# Allegro board reComputer Industrial J201_V1.2.brd
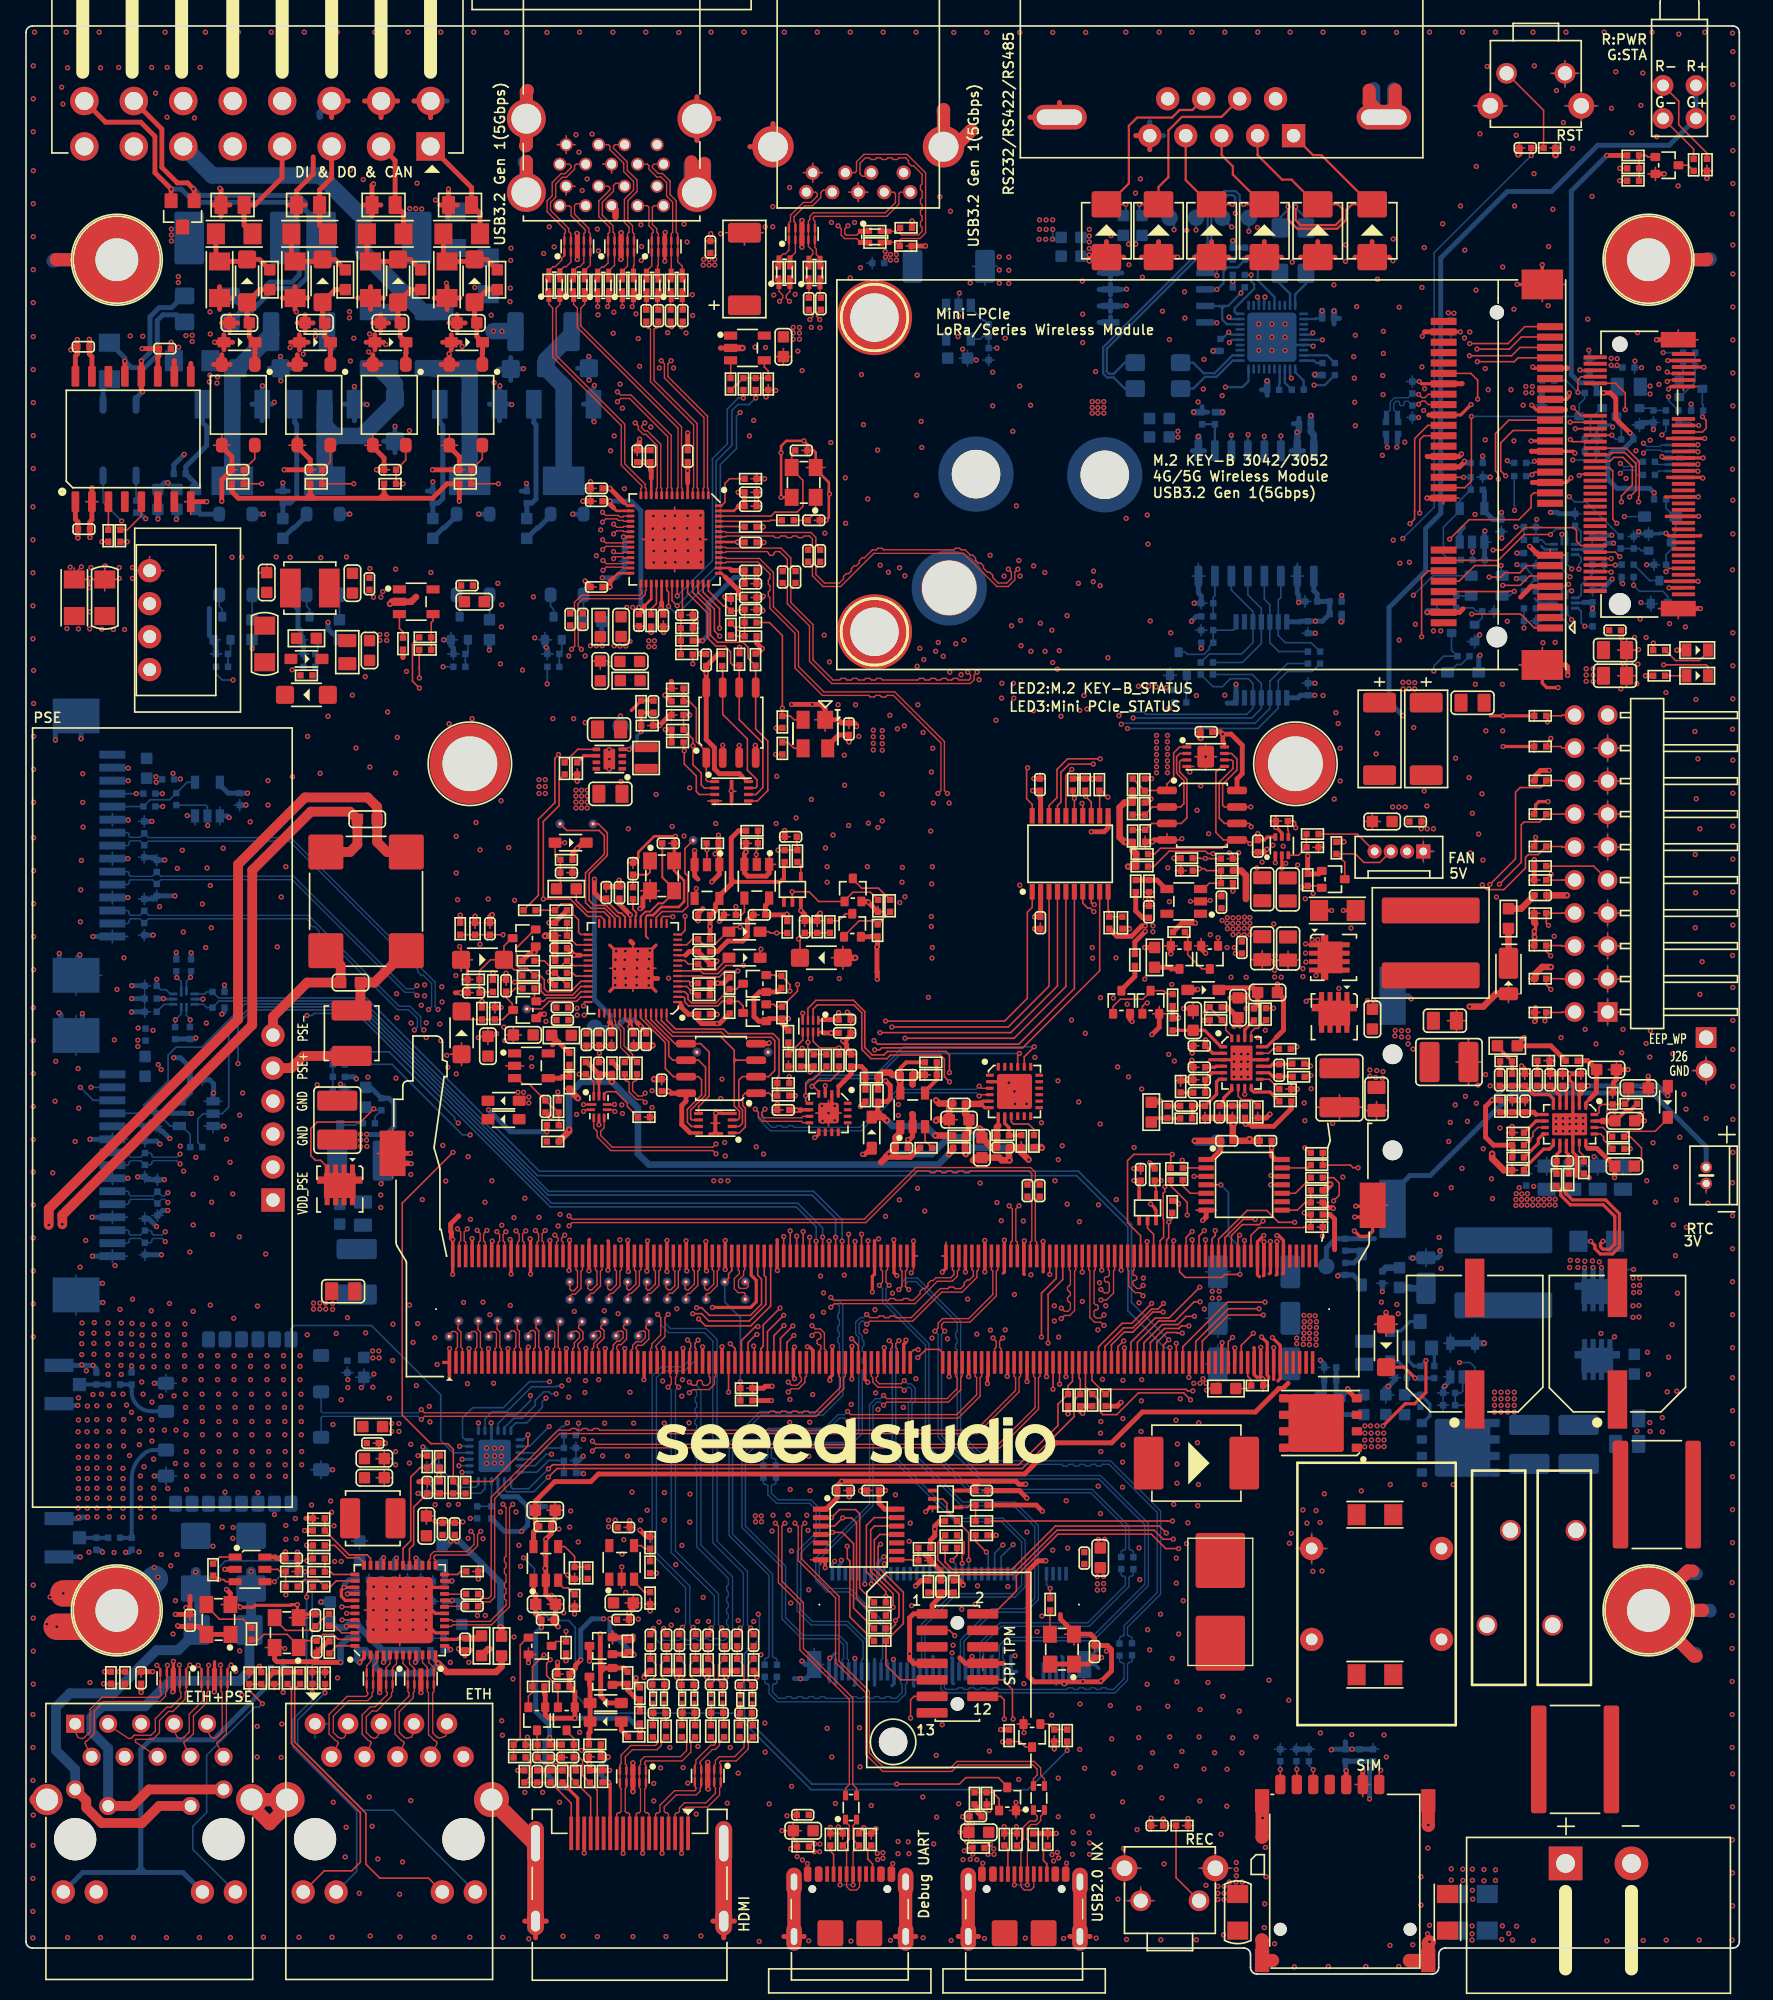
[diagram p0: board, top side]
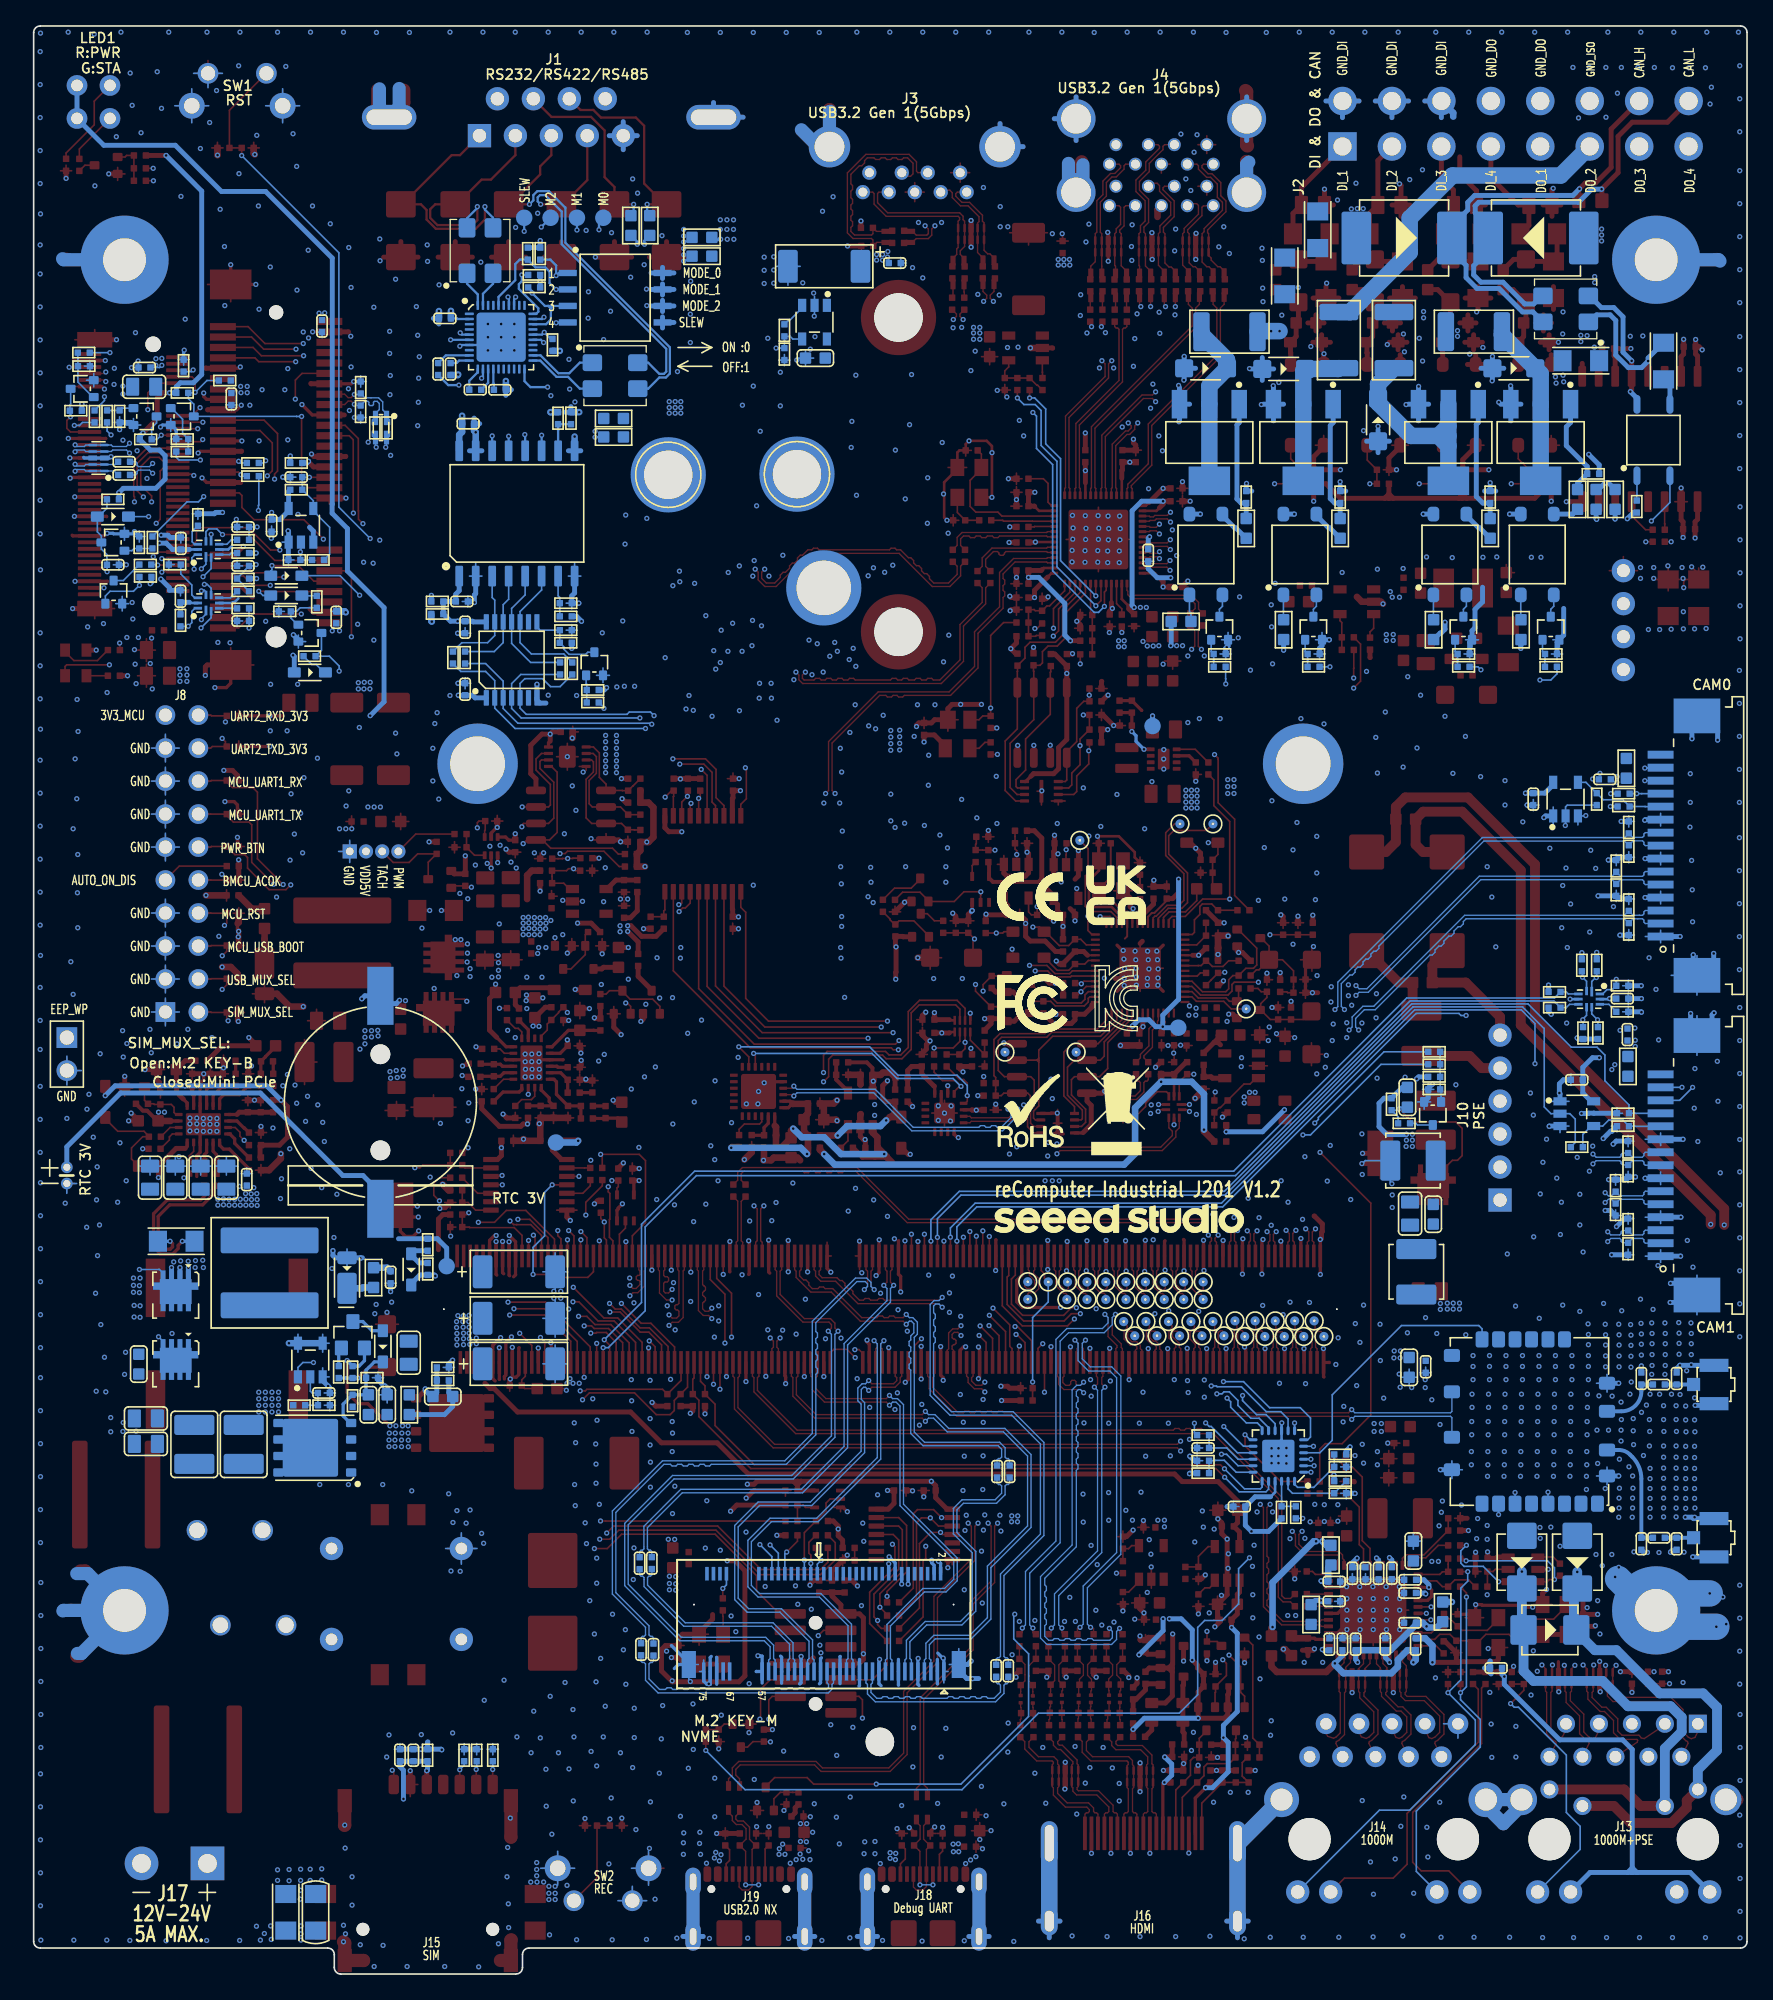
[diagram p1: board, bottom side, seen from below]

Outline 132 x 150 mm; copper layers: TOP, GND02, LAY3, LAY4, PWR05, BOTTOM. Coordinates in mm from the lower left corner of the outline.
Outline path: 0,149.5 0,2.5 arc(0.15,2.15) 0.5,2 93.84,2 arc(94.19,1.85) 94.34,1.5 94.34,0.5 arc(94.49,0.15) 94.84,0 108.34,0 arc(108.69,0.15) 108.84,0.5 108.84,1.5 arc(108.99,1.85) 109.34,2 131.5,2 arc(131.85,2.15) 132,2.5 132,149.5 arc(131.85,149.85) 131.5,150 0.5,150 arc(0.15,149.85) 0,149.5

## Design rules (mm)
constraint set DEFAULT: min track width 0.127
net group ADC0: nets ADC0 MCU_ADC0
net group CAN_H: nets CAN_H N28892304
net group CSI1_CLK_P: nets CSI1_CLK_N CSI1_CLK_P
net group CSI1_D0_P: nets CSI1_D0_N CSI1_D0_P
net group CSI3_CLK_P: nets CSI3_CLK_N CSI3_CLK_P
net group CSI3_D0_P: nets CSI3_D0_N CSI3_D0_P
net group CSI3_D1_P: nets CSI3_D1_N CSI3_D1_P
net group GBE_MDI1_P: nets GBE_MDI1_N GBE_MDI1_P
net group GBE_MDI2_P: nets GBE_MDI2_N GBE_MDI2_P
net group GBE_MDI3_P: nets GBE_MDI3_N GBE_MDI3_P
net group HDMI_TXC_CON_LC_P: nets HDMI_TXC_CON_LC_N HDMI_TXC_CON_LC_P
net group HDMI_TXC_CON_P: nets HDMI_TXC_CON_N HDMI_TXC_CON_P
net group HDMI_TXC_CON_R_P: nets HDMI_TXC_CON_R_N HDMI_TXC_CON_R_P
net group HDMI_TXC_P: nets HDMI_TXC_N HDMI_TXC_P
net group HDMI_TXD0_CON_LC_P: nets HDMI_TXD0_CON_LC_N HDMI_TXD0_CON_LC_P
net group HDMI_TXD0_CON_P: nets HDMI_TXD0_CON_N HDMI_TXD0_CON_P
net group HDMI_TXD0_CON_R_P: nets HDMI_TXD0_CON_R_N HDMI_TXD0_CON_R_P
net group HDMI_TXD0_P: nets HDMI_TX0_N HDMI_TX0_P
net group HDMI_TXD1_CON_LC_P: nets HDMI_TXD1_CON_LC_N HDMI_TXD1_CON_LC_P
net group HDMI_TXD1_CON_P: nets HDMI_TXD1_CON_N HDMI_TXD1_CON_P
net group HDMI_TXD1_CON_R_P: nets HDMI_TXD1_CON_R_N HDMI_TXD1_CON_R_P
net group HDMI_TXD1_P: nets HDMI_TX1_N HDMI_TX1_P
net group HDMI_TXD2_CON_LC_P: nets HDMI_TXD2_CON_LC_N HDMI_TXD2_CON_LC_P
net group HDMI_TXD2_CON_P: nets HDMI_TXD2_CON_N HDMI_TXD2_CON_P
net group HDMI_TXD2_CON_R_P: nets HDMI_TXD2_CON_R_N HDMI_TXD2_CON_R_P
net group HDMI_TXD2_P: nets HDMI_TX2_N HDMI_TX2_P
net group HUB_HSD1_P: nets HUB_HSD1_N HUB_HSD1_P
net group HUB_HSD2_P: nets HUB_HSD2_N HUB_HSD2_P
net group HUB_HSD3_P: nets HUB_HSD3_N HUB_HSD3_P
net group HUB_HSD4_P: nets HUB_HSD4_N HUB_HSD4_P
net group HUB_SSRX1_P: nets HUB_SSRX1_N HUB_SSRX1_P
net group HUB_SSRX2_P: nets HUB_SSRX2_N HUB_SSRX2_P
net group HUB_SSRX3_P: nets HUB_SSRX3_N HUB_SSRX3_P
net group HUB_SSRX4_P: nets HUB_SSRX4_N HUB_SSRX4_P
net group HUB_SSTX1_C_P: nets HUB_SSTX1_C_N HUB_SSTX1_C_P
net group HUB_SSTX1_P: nets HUB_SSTX1_N HUB_SSTX1_P
net group HUB_SSTX2_C_P: nets HUB_SSTX2_C_N HUB_SSTX2_C_P
net group HUB_SSTX2_P: nets HUB_SSTX2_N HUB_SSTX2_P
net group HUB_SSTX3_C_P: nets HUB_SSTX3_C_N HUB_SSTX3_C_P
net group HUB_SSTX3_P: nets HUB_SSTX3_N HUB_SSTX3_P
net group HUB_SSTX4_P: nets HUB_SSTX4_N HUB_SSTX4_P
net group HUB_USB4_DP_1: nets USB_DM USB_DP
net group M2B_PCIE_HSD4_P: nets M2B_PCIE_HSD4_N M2B_PCIE_HSD4_P
net group M2B_SSRX4_P: nets M2B_SSRX4_N M2B_SSRX4_P
net group M2B_SSTX4_P: nets M2B_SSTX4_N M2B_SSTX4_P
net group MCU_USB_DP: nets MCU_USB_DN MCU_USB_DP
net group PCIE0_CLK_P: nets PCIE0_CLK_N PCIE0_CLK_P
net group PCIE0_RX0_M2_P: nets PCIE0_RX0_N PCIE0_RX0_P
net group PCIE0_RX1_P: nets PCIE0_RX1_N PCIE0_RX1_P
net group PCIE0_RX2_P: nets PCIE0_RX2_N PCIE0_RX2_P
net group PCIE0_RX3_P: nets PCIE0_RX3_N PCIE0_RX3_P
net group PCIE0_TX0_M2_P: nets PCIE0_TX0_M2_N PCIE0_TX0_M2_P
net group PCIE0_TX0_P: nets PCIE0_TX0_N PCIE0_TX0_P
net group PCIE0_TX1_M2_P: nets PCIE0_TX1_M2_N PCIE0_TX1_M2_P
net group PCIE0_TX1_P: nets PCIE0_TX1_N PCIE0_TX1_P
net group PCIE0_TX2_M2_P: nets PCIE0_TX2_M2_N PCIE0_TX2_M2_P
net group PCIE0_TX2_P: nets PCIE0_TX2_N PCIE0_TX2_P
net group PCIE0_TX3_M2_P: nets PCIE0_TX3_M2_N PCIE0_TX3_M2_P
net group PCIE0_TX3_P: nets PCIE0_TX3_N PCIE0_TX3_P
net group PCIE1_CLK_P: nets PCIE1_CLK_N PCIE1_CLK_P
net group PCIE1_RX0_P: nets PCIE1_RX0_N PCIE1_RX0_P
net group PCIE1_TX0_P: nets PCIE1_TX0_N PCIE1_TX0_P
net group PCIE_RX_P: nets PCIE_RX_N PCIE_RX_P
net group PCIE_TX_P: nets PCIE_TX_N PCIE_TX_P
net group RP2040_XOUT: nets N26055734 RP2040_XOUT
net group TXRXA_P: nets TXRXA_N TXRXA_P
net group TXRXC_P: nets TXRXC_N TXRXC_P
net group TXRXD_P: nets TXRXD_N TXRXD_P
net group TYPE C_USB_DP: nets TYPE C_USB_DN TYPE C_USB_DP
net group TYPE_C_USB_DP: nets N29154261 N29154278
net group UART_USB_DP: nets UART_USB_DN UART_USB_DP
net group USB0_AP_P: nets USB0_AP_N USB0_AP_P
net group USB0_AP_P_1: nets N27061452 N27061465
net group USB1_A_P: nets USB1_A_N USB1_A_P
net group USB1_AP_P: nets USB1_AP_N USB1_AP_P
net group USB2_AP_P: nets USB2_AP_N USB2_AP_P
net group USBSS1_RX_P: nets USBSS1_RX_N USBSS1_RX_P
net group USBSS_RX_A_CON1_P: nets USBSS_RX_A_CON1_N USBSS_RX_A_CON1_P
net group USBSS_RX_A_CON2_P: nets USBSS_RX_A_CON2_N USBSS_RX_A_CON2_P
net group USBSS_RX_B_CON1_P: nets USBSS_RX_B_CON1_N USBSS_RX_B_CON1_P
net group USBSS_RX_HUB_P: nets USBSS_RX_HUB_N USBSS_RX_HUB_P
net group USBSS_RX_P: nets USBSS_RX_N USBSS_RX_P
net group USBSS_TX_A_CON1_P: nets USBSS_TX_A_CON1_N USBSS_TX_A_CON1_P
net group USBSS_TX_A_CON2_P: nets USBSS_TX_A_CON2_N USBSS_TX_A_CON2_P
net group USBSS_TX_B_CON1_P: nets USBSS_TX_B_CON1_N USBSS_TX_B_CON1_P
net group USBSS_TX_HUB_P: nets USBSS_TX_HUB_N USBSS_TX_HUB_P
net group USBSS_TX_P: nets USBSS_TX_N USBSS_TX_P
net group CLS2: nets CSI2_CLK_N CSI2_CLK_P CSI2_D0_N CSI2_D0_P CSI2_D1_N CSI2_D1_P
net group CSI0: nets CSI0_CLK_N CSI0_CLK_P CSI0_D0_N CSI0_D0_P CSI0_D1_N CSI0_D1_P
net group HDMI_CEC_Q: nets HDMI_CEC_Q
nets with their own width: min track width 0.152; nets VDD_5V_SYS

## Placement (name value [footprint] x y rotation side)
C1  10nF  [C0402]  115.51 140.61 180 top
C2  100nF  [C0402]  52.73 132.98 90 top
C3  330uF  [AVX_C]  55.35 131.28 90 top
C4  100nF  [C0402]  60.3 128.62 90 top
C5  100nF  [C0402]  61.24 128.62 90 top
C6  100nF  [C0402]  47.78 127.69 90 top
C7  100nF  [C0402]  48.72 127.69 90 top
C8  100nF  [C0402]  49.66 127.69 90 top
C9  100nF  [C0402]  50.6 127.69 90 top
C10  100nF  [C0603]  16.45 127.14 180 top
C11  100nF  [C0603]  22.26 127.14 180 top
C12  100nF  [C0603]  28.08 127.14 180 top
C13  100nF  [C0603]  33.97 127.14 180 top
C14  100nF  [C0402]  4.42 125.3 0 top
C15  4.7uF  [C0603]  58.35 125.3 270 top
C17  18pF  [C0402]  59.73 117.32 0 top
C18  100nF  [C0402]  47.09 116.87 90 top
C19  1nF  [C0402]  48.12 116.87 90 top
C20  100nF  [C0402]  50.98 116.87 90 top
C21  10pF  [C0402]  16.32 115.83 180 top
C22  10pF  [C0402]  22.36 115.83 180 top
C23  10pF  [C0402]  28.05 115.83 180 top
C24  10pF  [C0402]  33.85 115.83 180 top
C25  100nF  [C0402]  43.96 114.39 180 top
C26  100nF  [C0402]  55.82 114.09 0 top
C27  1nF  [C0402]  43.96 113.4 180 top
C28  100nF  [C0402]  55.82 113.03 0 top
C29  18pF  [C0402]  60.7 111.94 0 top
C30  100nF  [C0402]  4.47 111.25 0 top
C31  100nF  [C0402]  55.82 110.23 0 top
C32  100nF  [C0402]  60.25 109.2 90 top
C33  100nF  [C0402]  61.19 109.2 90 top
C34  100nF  [C0402]  55.82 108.07 0 top
C35  100nF  [C0402]  58.3 107.57 90 top
C36  100nF  [C0402]  59.29 107.57 90 top
C37  1nF  [C0402]  55.82 107.05 0 top
C38  100nF  [C0402]  43.96 106.8 180 top
C39  100nF  [C0402]  55.82 105.99 0 top
C40  1uF  [C0402]  55.82 105.06 0 top
C41  10nF  [C0402]  50.91 104.64 0 top
C42  4.7uF  [C0603]  18.55 107.15 90 top
C43  100nF  [C0402]  42.89 104.31 90 top
C44  100nF  [C0402]  41.93 104.31 90 top
C45  4.7uF  [C0603]  25.15 107.09 90 top
C46  100nF  [C0402]  26.46 107.05 90 top
C47  100nF  [C0402]  47.22 104.25 270 top
C48  1nF  [C0402]  49.1 104.22 270 top
C49  100nF  [C0402]  33.98 106.91 0 top
C50  4.7uF  [C0603]  45.85 103.75 270 top
C51  100nF  [C0402]  122.42 103.47 0 top
C52  1nF  [C1206]  6.07 105.97 270 top
C53  10uF  [C0603]  34.54 105.67 0 top
C54  22uF  [C0805]  122.42 101.94 0 top
C55  100nF  [C0402]  52.4 101.18 90 top
C56  4.7uF  [C0603]  46.52 101.06 180 top
C57  10uF  [C0603]  44.25 100.34 90 top
C58  22uF  [C0805]  122.42 99.97 0 top
C59  1nF  [C1206]  18.39 102.42 270 top
C60  4.7uF  [C0603]  26.47 101.91 270 top
C61  22uF  [C0805]  111.45 97.88 0 top
C62  22pF  [C0402]  48.34 97.59 270 top
C63  100nF  [C0402]  63.4 95.87 90 top
C64  22uF  [C0805]  44.92 95.83 180 top
C65  330uF  [AVX_C]  104.28 95.1 270 top
C66  330uF  [AVX_C]  107.88 95.1 270 top
C67  100nF  [C0402]  90.93 95.65 180 top
C68  100nF  [C0402]  78.12 91.58 90 top
C69  22uF  [C0805]  45.03 90.87 0 top
C70  10uF  [C0603]  104.49 88.74 180 top
C71  100nF  [C0402]  107.04 88.74 0 top
C72  100nF  [C0402]  58.92 87.57 180 top
C73  12pF  [C0402]  49.49 87.06 0 top
C74  100nF  [C0402]  94.9 86.85 90 top
C75  12pF  [C0402]  46.77 85.11 90 top
C76  1uF  [C0402]  41.64 84.8 0 top
C77  22uF  [C0805]  95.25 83.53 90 top
C78  22uF  [C0805]  97.21 83.51 90 top
C79  100nF  [C0402]  44.71 83.27 90 top
C80  100nF  [C0402]  45.73 83.27 90 top
C81  220pF  [C0402]  116.68 83.06 0 top
C82  1uF  [C0402]  92.1 82.53 90 top
C83  1uF  [C0402]  86.51 81.79 90 top
C84  100nF  [C0402]  52.24 81.56 180 top
C85  100nF  [C0402]  56.5 81.56 180 top
C86  100nF  [C0402]  78.15 80.95 90 top
C87  10nF  [C0402]  60 80.64 90 top
C88  100pF  [C0402]  35.74 80.49 90 top
C89  100nF  [C0402]  93.67 79.05 270 top
C90  100nF  [C0402]  41.22 78.99 180 top
C91  22uF  [C0805]  95.25 78.99 270 top
C92  22uF  [C0805]  97.23 78.96 270 top
C93  100nF  [C0402]  52.24 78.73 0 top
C94  100pF  [C0402]  36.99 76.1 90 top
C95  100nF  [C0603]  95.65 75.58 0 top
C96  100pF  [C0402]  34.48 75.56 180 top
C97  470nF  [C0603]  93.38 74.4 90 top
C98  100nF  [C0402]  41.32 74.42 180 top
C99  4.7uF  [C0805]  109.32 73.41 0 top
C100  100nF  [C0402]  52.24 73.91 0 top
C101  100nF  [C0603]  103.73 73.53 90 top
C102  100nF  [C0402]  63.07 73.49 0 top
C103  4.7uF  [C0603]  89.92 73.43 90 top
C104  1uF  [C0402]  41.33 73.45 180 top
C105  100nF  [C0402]  63.07 72.47 0 top
C106  10uF  [C0603]  38.31 72.31 180 top
C107  1uF  [C0402]  45.11 71.98 270 top
C108  1uF  [C0402]  44.15 71.98 270 top
C109  100nF  [C0402]  47.78 71.96 270 top
C110  100nF  [C0402]  43.18 71.96 270 top
C111  100nF  [C0402]  46.81 71.96 270 top
C112  1uF  [C0402]  90.4 71.47 180 top
C113  10uF  [C0603]  35.59 71.44 90 top
C114  22uF  [C1210]  109.63 70.22 0 top
C115  100nF  [C0402]  63.58 70.35 90 top
C116  10nF  [C0402]  90.4 69.82 180 top
C117  100nF  [C0402]  44.14 69.75 90 top
C118  33pF  [C0402]  96.55 69.59 270 top
C119  10nF  [C0402]  90.4 68.86 180 top
C120  4.7uF  [C0603]  121.77 69.64 0 top
C121  100nF  [C0402]  48.98 68.44 90 top
C122  22uF  [C1210]  101.2 68.24 270 top
C123  680pF  [C0402]  90.4 67.87 180 top
C124  150pF  [C0402]  113.54 68.86 270 top
C125  680pF  [C0402]  116.44 68.86 90 top
C126  10nF  [C0402]  117.43 68.86 90 top
C127  10nF  [C0402]  118.39 68.86 90 top
C128  1uF  [C0402]  119.79 68.86 90 top
C129  4.7uF  [C0805]  104.05 67.38 270 top
C130  1uF  [C0603]  124.22 68.22 0 top
C131  150pF  [C0402]  89.38 66.84 0 top
C132  1uF  [C0402]  40.02 66.8 270 top
C133  100nF  [C0402]  58.35 66.53 180 top
C134  10nF  [C0402]  91.95 66.39 270 top
C135  10nF  [C0402]  115.5 66.82 90 top
C136  470nF  [C0603]  123.18 65.7 0 top
C137  4.7uF  [C0603]  73.65 63.63 270 top
C138  4.7uF  [C0805]  25.96 58.55 90 bottom
C139  4.7uF  [C0805]  24.44 52.57 0 top
C140  100nF  [C0402]  85.88 61.56 270 top
C141  33pF  [C0402]  118.38 62.59 180 top
C142  100nF  [C0603]  123.15 62.21 180 top
C143  100nF  [C0402]  77.16 60.32 90 top
C144  100nF  [C0402]  78.1 60.32 90 top
C145  100nF  [C0603]  24.18 58.5 90 bottom
C146  100nF  [C0402]  70.49 29.84 270 top
C147  220uF  [CAE-10_5X10_5X10_5MM-S]  111.61 48.54 90 top
C148  220uF  [CAE-10_5X10_5X10_5MM-S]  122.61 48.54 90 top
C149  100nF  [C0402]  26.72 40.88 0 top
C150  10uF  [C0603]  26.84 39.69 0 top
C151  100nF  [C0402]  73.62 37.23 180 top
C152  10uF  [C0603]  26.84 38.21 0 top
C153  1uF  [C0402]  30.92 37.47 90 top
C154  10uF  [C0603]  40.01 35.71 0 top
C155  100nF  [C0402]  40 34.47 0 top
C156  100nF  [C0402]  46.04 34.39 0 top
C157  10uF  [C0603]  30.85 34.5 90 top
C158  100nF  [C0402]  33.03 34.28 90 top
C159  1uF  [C0402]  32.09 34.28 90 top
C160  10uF  [C0603]  82.76 32.04 90 top
C161  100nF  [C0402]  81.54 32.03 90 top
C162  100nF  [C0402]  20.45 32.01 0 top
C163  4.7uF  [C0603]  46.03 28.57 0 top
C164  10uF  [C0603]  40.03 28.47 0 top
C165  100nF  [C0402]  34.38 29.26 180 top
C166  100nF  [C0402]  34.38 28.32 180 top
C167  100nF  [C0402]  46 27.29 0 top
C168  100nF  [C0402]  40.18 27.28 0 top
C169  18pF  [C0402]  22.29 27.24 90 top
C170  100nF  [C0402]  48.11 25.7 270 top
C171  100nF  [C0402]  49.35 25.7 270 top
C172  100nF  [C0402]  50.34 25.7 270 top
C173  100nF  [C0402]  51.59 25.7 270 top
C174  100nF  [C0402]  52.55 25.7 270 top
C175  100nF  [C0402]  53.82 25.7 270 top
C176  100nF  [C0402]  54.79 25.7 270 top
C177  100nF  [C0402]  56.06 25.7 270 top
C178  100nF  [C0402]  12.64 27.23 90 top
C179  100nF  [C0402]  82.32 24.83 90 top
C180  100nF  [C0402]  33.83 25.4 270 top
C181  18pF  [C0402]  22.39 25.2 270 top
C182  100nF  [C0402]  41.41 23.1 180 top
C183  100nF  [C0402]  19.33 23.57 0 bottom
C184  10nF  [C0402]  8.87 22.82 90 top
C185  0.7pF  [C0402]  48.72 22.29 180 top
C186  0.7pF  [C0402]  53.19 22.28 180 top
C187  0.7pF  [C0402]  50.97 22.27 180 top
C188  0.7pF  [C0402]  55.49 22.25 180 top
C189  0.7pF  [C0402]  53.25 20.11 180 top
C190  0.7pF  [C0402]  51.04 20.11 180 top
C191  0.7pF  [C0402]  48.79 20.1 180 top
C192  0.7pF  [C0402]  55.47 20.09 180 top
C193  10pF  [C0402]  43.82 16.72 180 top
C194  4.7pF  [C0402]  39.88 16.68 0 top
C195  4.7pF  [C0402]  41.74 16.68 180 top
C196  100pF  [C0402]  39.39 15.21 90 top
C197  10pF  [C0402]  40.42 15.21 90 top
C198  100nF  [C0402]  59.85 12.26 180 top
C199  100nF  [C0402]  73.16 12.13 180 top
C200  10nF  [C0402]  87.15 11.43 180 top
C201  10uF  [C0603]  59.88 11.03 180 top
C202  4.7uF  [C0603]  73.41 10.91 180 top
C203  100nF  [C0402]  65.66 131.74 180 bottom
C204  330uF  [AVX_C]  71.1 131.49 0 bottom
C205  1uF  [C0402]  100.32 127.48 180 bottom
C206  100nF  [C0402]  109.78 126.89 270 bottom
C207  4.7uF  [C0603]  71.78 124.43 0 bottom
C208  100nF  [C0402]  123.46 123.7 0 bottom
C209  100nF  [C0402]  100.84 123.58 270 bottom
C210  100nF  [C0402]  99.88 123.58 90 bottom
C211  22uF  [C0805]  123.49 122.22 0 bottom
C212  100nF  [C0402]  97.98 122 180 bottom
C213  100nF  [C0402]  96.08 121.99 0 bottom
C214  100nF  [C0402]  116.77 121.28 270 bottom
C215  100nF  [C0402]  98.53 119.37 180 bottom
C216  100nF  [C0402]  125.03 116.45 180 bottom
C217  100nF  [C0402]  125.03 115.43 180 bottom
C218  10nF  [C0402]  111.77 115.26 0 bottom
C219  33pF  [C0402]  115.87 111.43 0 bottom
C220  100nF  [C0402]  46.13 109.24 270 bottom
C221  100nF  [C0402]  120.66 110.15 90 bottom
C222  10nF  [C0402]  125.9 108.51 180 bottom
C223  33pF  [C0402]  115.87 108.43 0 bottom
C224  100nF  [C0402]  120.69 106.09 90 bottom
C225  100nF  [C0402]  99.01 105.69 180 bottom
C226  100nF  [C0402]  108.69 104.47 270 bottom
C227  33pF  [C0402]  115.87 104.19 0 bottom
C228  100nF  [C0402]  98.76 103.7 270 bottom
C229  100nF  [C0402]  98.76 98.93 90 bottom
C230  100nF  [C0402]  10.96 91.99 0 bottom
C231  100nF  [C0402]  9.61 75.11 180 bottom
C232  100nF  [C0402]  9.21 72.34 90 bottom
C233  22uF  [C0805]  123.03 61.32 90 bottom
C234  22uF  [C0805]  121.09 61.32 90 bottom
C235  22uF  [C0805]  119.13 61.32 90 bottom
C236  22uF  [C0805]  117.15 61.32 90 bottom
C237  100nF  [C0402]  115.58 61.17 90 bottom
C238  330uF  [AVX_C]  94.62 54.07 180 bottom
C239  220pF  [C0402]  104.5 53.65 270 bottom
C240  330uF  [AVX_C]  94.62 50.49 180 bottom
C241  4.7uF  [C0805]  103.11 47.84 90 bottom
C242  330uF  [AVX_C]  94.62 46.98 180 bottom
C243  100nF  [C0402]  24.76 46.76 270 bottom
C244  10uF  [C0603]  26.03 46.71 270 bottom
C245  10pF  [C0402]  8.14 45.85 90 bottom
C246  10pF  [C0402]  5.42 45.85 90 bottom
C247  10pF  [C0402]  6.79 45.39 180 bottom
C248  100nF  [C0603]  100.48 44.47 0 bottom
C249  10nF  [C0402]  109.65 44.74 180 bottom
C250  1uF  [C0603]  106.21 43.84 90 bottom
C251  100nF  [C0603]  104.76 43.84 90 bottom
C252  100nF  [C0603]  123.9 46.96 90 bottom
C253  1nF  [C1206]  93.36 4.75 270 top
C254  4.7uF  [C0805]  123.35 42.78 0 bottom
C255  4.7uF  [C0805]  123.35 40.82 0 bottom
C256  22uF  [C1210]  119.62 40.78 270 bottom
C257  22uF  [C1210]  115.82 40.78 270 bottom
C258  220nF  [C0402]  57.78 38.69 90 bottom
C259  220nF  [C0402]  56.81 38.69 90 bottom
C260  100nF  [C0402]  39.11 36 0 bottom
C261  10pF  [C0402]  6.79 33.59 180 bottom
C262  10pF  [C0402]  8.14 33.13 90 bottom
C263  10pF  [C0402]  5.42 33.13 90 bottom
C264  220nF  [C0402]  84.38 31.64 90 bottom
C265  220nF  [C0402]  85.32 31.63 90 bottom
C266  4.7uF  [C0603]  25.71 32.57 90 bottom
C267  100nF  [C0402]  27.37 30.87 270 bottom
C268  100nF  [C0402]  30.41 30.86 270 bottom
C269  1uF  [C0402]  29.39 30.86 270 bottom
C270  100nF  [C0402]  28.38 30.85 270 bottom
C271  100nF  [C0402]  25.95 30.36 0 bottom
C272  100nF  [C0402]  31.8 30.22 180 bottom
C273  100nF  [C0402]  25.97 29.34 0 bottom
C274  100nF  [C0402]  31.8 28.7 180 bottom
C275  100nF  [C0402]  25.96 27.05 0 bottom
C276  220nF  [C0402]  85.21 25 90 bottom
C277  220nF  [C0402]  84.25 24.98 90 bottom
C278  100nF  [C0402]  31.17 25.39 90 bottom
C279  100nF  [C0402]  30.15 25.39 90 bottom
C280  100nF  [C0402]  27.87 25.39 90 bottom
C281  100nF  [C0402]  25.53 25.39 90 bottom
C282  100nF  [C0402]  32.18 25.39 90 bottom
C283  220nF  [C0402]  57.85 23.35 90 bottom
C284  220nF  [C0402]  56.91 23.35 90 bottom
C285  100nF  [C0402]  103.78 16.85 90 bottom
C286  33pF  [C0402]  102.75 16.85 90 bottom
C287  1nF  [C1206]  110.28 4.75 270 bottom
C288  470nF  [C0603]  26.17 67.51 270 bottom
C289  22uF  [C1210]  23.98 65.75 90 top
C290  1uF  [C0402]  67.84 69.23 0 top
C291  1uF  [C0402]  67.46 63.62 0 top
C292  100nF  [C0402]  10.7 125.16 0 top
C293  100nF  [C0402]  113.67 111.53 270 bottom
C294  4.7uF  [C0603]  71.89 65.78 180 top
C295  100nF  [C0402]  71.89 67.03 180 top